# Altium PCB WT2.PcbDoc (continued)
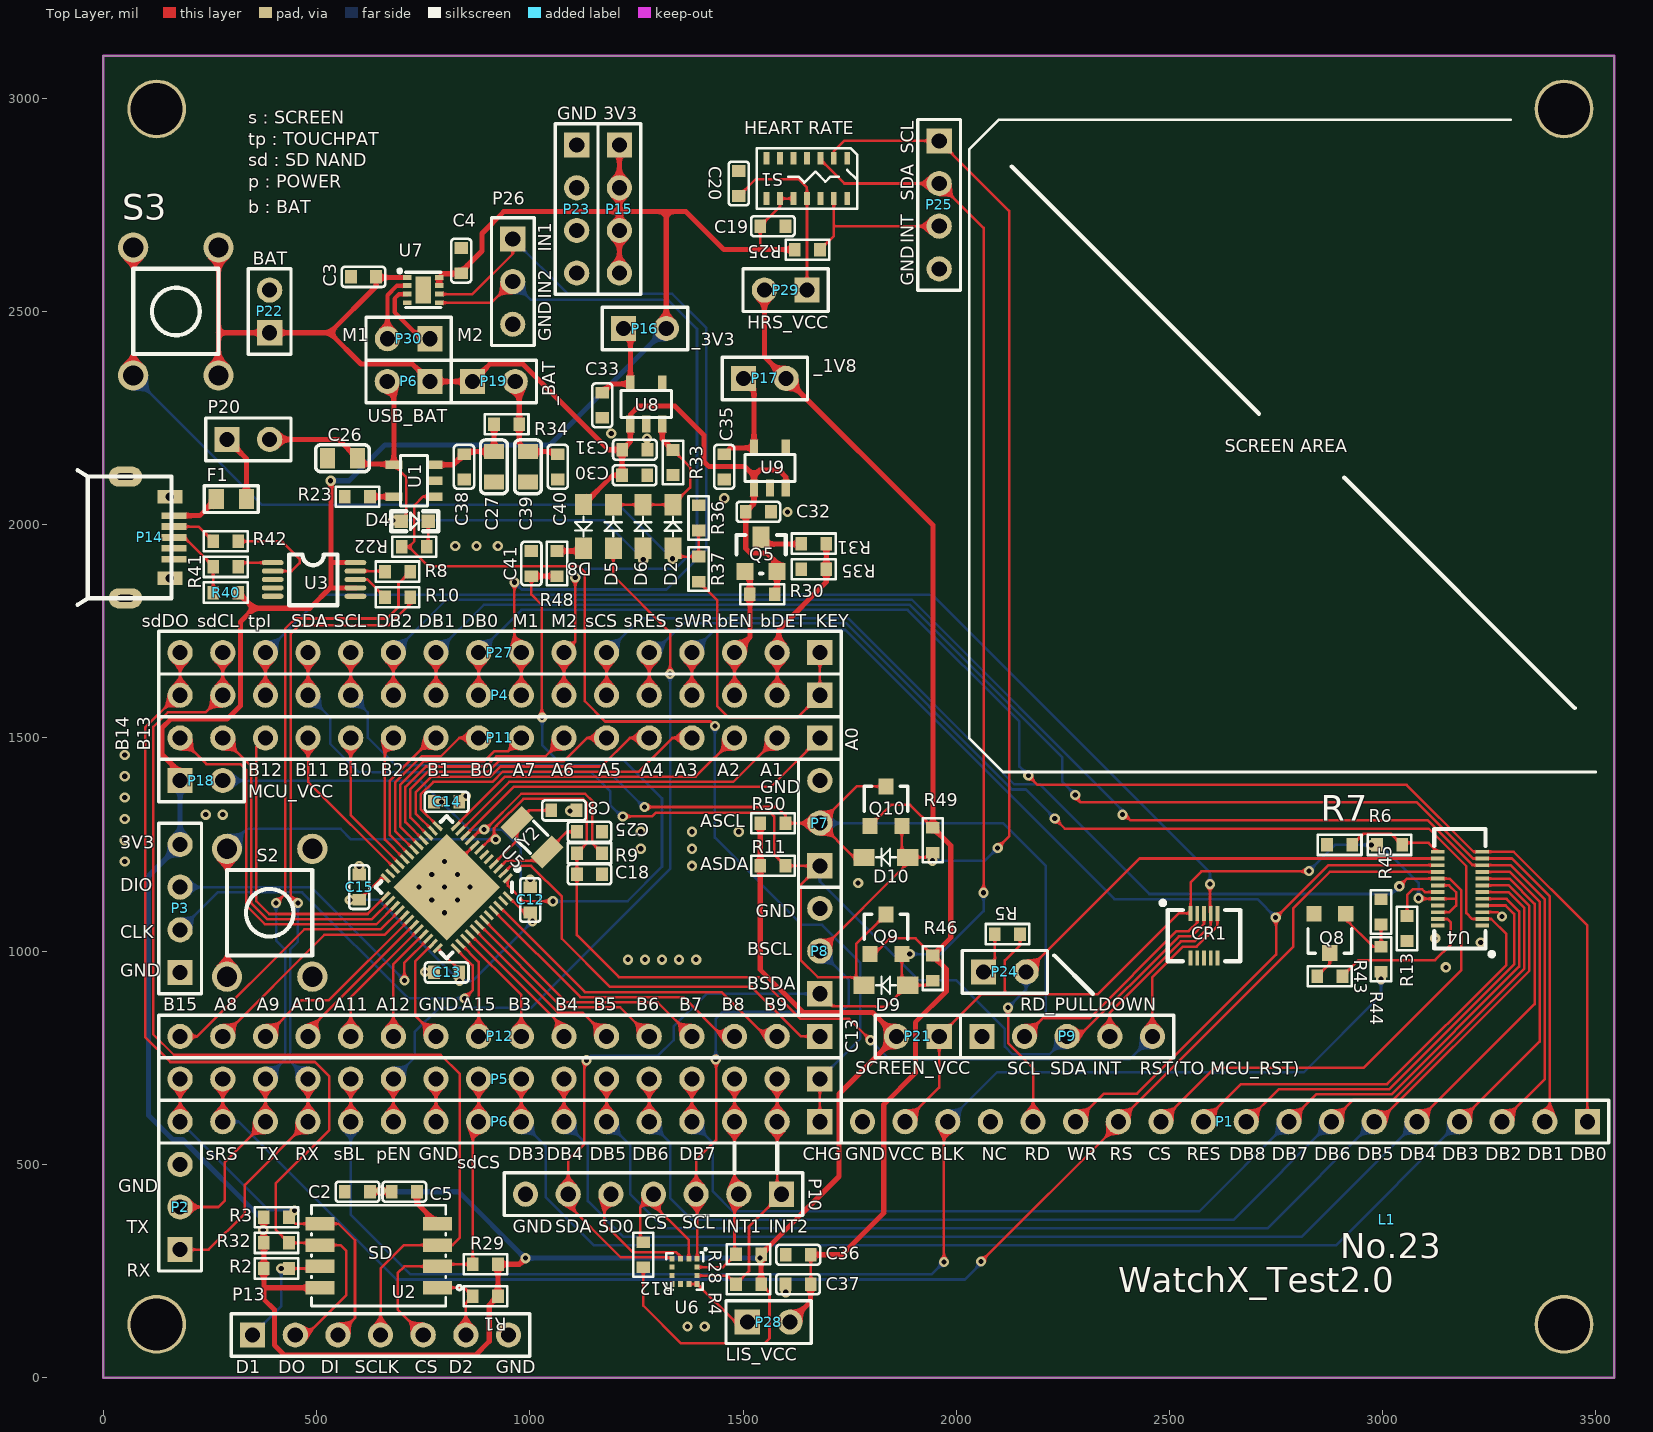
[diagram p0: Top Layer view]
## Part data
C2 C3 C4 C5 C8 C12 C13 C14 C15 C18 C19 C20 C25 C26 C27 C30 C31 C32 C33 C35 C36 C37 C38 C39 C40 C41: library part cap
CR1: library part "CONN RCPT 10P", "板对板连接器"
D2 D5 D6 D8 D9 D10: library part Diode
D4: library part LED
F1: library part "Fuse 1", "Fuse"
L1: library part LOGO_TRIGGER
P1: "Header, 18-Pin"
P2 P7 P8 P26: "Header, 3-Pin"
P3 P15 P23 P25: "Header, 4-Pin"
P4 P5 P6 P11 P12 P27: "Header, 16-Pin"
P6 P16 P17 P18 P19 P20 P21 P22 P24 P28 P29 P30: "Header, 2-Pin"
P9: "Header, 5-Pin"
P10 P13: "Header, 7-Pin"
P14: library part "MICRO USB 5PIN"
Q5: "P-Channel MOSFET"
Q8: library part Triode-NPN
Q9 Q10: library part MOSFET-N
R1 R2 R3 R4 R5 R6 R7 R8 R9 R10 R11 R12 R13 R22 R23 R25 R28 R29 R30 R31 R32 R33 R34 R35 R36 R37 R40 R41 R42 R43 R44 R45 R46 R48 R49 R50: library part Res
S1: "血氧浓度传感器"
S2 S3: "按键"
U1: "线性充电管理控制器"
U2: library part SDNAND
U4: library part TFT_IPS_8Bit_1.54_240*240
U6: "运动传感器"
U8 U9: library part LP5907, "LDO"
Y2: library part XTAL_A

## Free pads (board coordinates)
  round 137.8 hole 122.05: 2(125,2975) 3(125,125) 4(3425,125) 5(3425,2975)

## Via types
v1: diameter 24, hole 12, Top Layer to Bottom Layer, tented both sides, 94 vias
v2: diameter 24, hole 12, Top Layer to Bottom Layer, 3 vias

## Nets (pads, with @x,y where several pads share a name; then routed paths per layer and width w, separated by ;. In a path a pad name is that pad's centre, name@x,y a point inside that pad or via, vN(x,y) a via of type N, cw(c..) or ccw(c..) an arc to the next point about the centre after c; other vN are vias at no path point)
1.8V: C36.2 C37.2 P17.2 P28.2 P29.2 Q9.1 Q10.1 R46.1 R49.1 | length 3186.4
  Top Layer w6: C37.2@1659,228 C36.2 ; Q9.1 1807.74,993.74 1844,1030 1904.53,1030 R46.1 ; Q10.1 1846.86,1343 1891.53,1343 R49.1
  Top Layer w12: P29.2 1550,2394 P17.2 1945,1999 R49.1 1987,1247.53 1987,1031.53 R46.1 1977,957.53 1977,906 1904,833 1904,714 1830,640 1830,386 1732,288 C36.2 ; P28.2 1658.53,178.53 C37.2
3V3: C2.1 C4.2 C5.1 C19.2 P3.4 P15.1 P15.2 P15.3 P15.4 P16.2 P18.1 P21.2 R1.1 R2.1 R3.2 R4.2 R11.1 R12.1 R25.2 R28.2 R29.1 R32.1 R40.2 R50.1 S1.9 S1.10 U2.8 U3.7 U3.10 U7.7 U7.8 | length 9309.6
  Top Layer w6: R12.1 1266,169 1355,80 1550,80 1562,92 1562,199.53 R4.2 ; 1540.47,2645.53 C19.2 1586.77,2746.3 S1.9 S1.10
  Top Layer w12: P18.1 180,1419 137.61,1461.39 137.61,1523.61 158,1544 290,1544 321.53,1575.53 321.53,1772.13 353.4,1804 ; R40.2@321.53,1835.87 353.4,1804 ; R3.2 R32.1 R2.1 376.22,183.78 401,159 401,76 424,53 873,53 905,85 905,170.47 R1.1 R29.1 975.75,265.75 v1(990,280) ; 380,210.75 U2.8 ; v1(533,2103) 534,2102 534,1911 ; 534,1851.81 U3.7 ; U3.10 534.13,1910.87 534,1911 ; C2.1 C5.1 ; U7.7 U7.8 796.37,2588.47 C4.2@844.47,2588.47 ; C4.2@830.47,2584.47 888,2642 888,2683 939,2734 1210,2734 ; P15.4 P15.3 1210,2734 ; P15.1 P15.2 1210,2734 ; P16.2 1320,2734 ; R50.1 R11.1 1540.47,956.53 1641,856 1804,856 P21.2 1725,665 1725,471.47 R28.2 R4.2 ; R25.2 1455,2645 1366,2734 1210,2734 ; 353.4,1804 484,1804 534,1854 534,1911
  Bottom Layer w12: P18.1 P3.4 106,1176 106,615.27 162.8,558.47 185.53,558.47 375,369 v1@375,350 ; v1(533,2103) 576,2103 660,2187 1047,2187 P16.2 ; v1@651,435.75 833.25,435.75 989,280 v1(990,280) v1(1540,280) v1@1542,280
  other v1: 375,346 651,438
ASCL: CR1.2 D10.K P4.12 P7.2 P9.2 P27.12 Q10.2 R50.2 | length 3228.4
  Top Layer w6: P4.12 P27.12 ; v1(1269,1338) 1580,1338 1599.53,1318.47 R50.2 P7.2 ; D10.K 1760,1220 P7.2 ; Q10.2 1766.26,1386.26 P7.2 ; P9.2 2203,843 2313.09,843 2516.8,1046.71 2545,1046.71 2565.12,1066.83 CR1.2
  Bottom Layer w6: P4.12 620,1560 620,1501 685,1436 1169,1436 v1@1269.5,1335.5 ; P7.2 2110,1300 2210,1200 2210,850 P9.2
ASDA: CR1.3 D9.K P4.13 P7.1 P9.3 P27.13 Q9.2 R11.2 | length 3450.1
  Top Layer w6: P4.13 P27.13 ; v1(1218,1316) 1287,1316 1295.75,1324.75 1564.25,1324.75 1573,1316 1573,1226.53 R11.2 P7.1 1635,1155 1635,979 1675.18,938.82 D9.K@1765,938.82 ; D9.K D9.K@1765,938.82 ; Q9.2 1765,1016.26 D9.K@1765,938.82 ; P9.3 2287.06,800 2521.77,1034.71 2551.32,1034.71 2580.86,1064.25 CR1.3
  Bottom Layer w6: P4.13 532,1548 532,1486 599,1419 1144,1419 1189,1374 1189,1342 v1@1216.5,1314.5 ; P7.1 1680,1163 1911,932 1999.78,932 2114,817.78 2114,776 2132,758 2218,758 P9.3
BAT: C3.1 C30.2 C31.2 C32.2 D8.A P6.1@765.75,2335.75 P19.1 P22.1 Q5.3 R30.2 S3.1 U7.1 U8.1 U9.1 U9.3 | length 2891.4
  Top Layer w12: S3.1@270,2650 270,2350 270,2450 P22.1 530.97,2450 ; C3.1@637.53,2579.5 U7.1 ; C3.1 639.53,2558.56 530.97,2450 ; D8.A 1194.57,2115.75 C30.2 1216.22,2175.28 C31.2 ; R30.2 1579.88,1842.35 Q5.3 1580.63,1891.38 1580.63,1908.37 1555.37,1933.63 1516.91,1933.63 1506.47,1944.07 C32.2 1525.75,2049.28 U9.1 1525.75,2114.75 ; U9.3 1600.55,2111.45 1584,2128 1539,2128 1525.75,2114.75 ; 530.97,2450 603.97,2377 648.27,2377 648.55,2377.28 682.95,2377.28 683.22,2377 724.5,2377 765.75,2335.75 P19.1 907.28,2377.28 982.95,2377.28 1184.48,2175.75 C31.2 ; C31.2 1235.75,2194.8 U8.1 1235.75,2257.75 1256,2278 1340,2278 1408,2210 1408,2148 1420,2136 1504.5,2136 1525.75,2114.75
  Bottom Layer w12: S3.1@270,2350 S3.1@290,2350
BAT_CHG: P5.1 P6.1@1680,600 R22.1 U1.1 | length 2379.1
  Top Layer w6: R22.1 716.27,1948 ; U1.1 749.75,2065.75 729,2045 729,1960.73 716.27,1948 ; v1(1434,1528) 1423.47,1538.53 1176.47,1538.53 1129,1586 1129,1888 1115,1902 762.27,1902 716.27,1948 ; P6.1@1680,600 P5.1
  Bottom Layer w6: v1(1434,1528) 1434,1266 1638.53,1061.47 1685.53,1061.47 1775,972 1775,795 P5.1
BAT_DET: P4.2 P27.2 R31.1 R35.2 | length 403.5
  Top Layer w6: P4.2 P27.2
  Top Layer w12: P27.2 1584,1704 1584,1754.47 1695.28,1865.75 R35.2 R31.1
BAT_DET_EN: P4.3 P27.3 Q5.1 R30.1 | length 287
  Top Layer w6: P4.3 P27.3
  Top Layer w12: P27.3 1516.22,1736.22 1516.22,1805.75 Q5.1@1516.22,1871.97
BSCL: D10.A P8.2 P10.3 P25.1 Q10.3 R49.2 S1.2 U6.1 | length 3692.8
  Top Layer w6: P10.3@1375,420 1392.53,402.47 U6.1 ; P10.3 1390,510 1437,557 v1@1437,756 ; P8.2 1886.18,1206.18 D10.A ; S1.2 1712.76,2875.76 1737,2900 P25.1 2124,2736 2124,1269 v1(2097,1242) ; Q10.3 1872.4,1233.78 D10.A ; R49.2 1934.53,1220 D10.A
  Bottom Layer w6: v1(1436,746) 1436,841 1453,858 1731,858 1748,875 1748,932 P8.2 ; v1(1944,1212) 2067,1212 v1(2097,1242)
BSDA: D9.A P8.1 P10.6 P25.2 Q9.3 R46.2 S1.3 U6.4 | length 3924.4
  Top Layer w6: P10.6@1077.5,417.5 1213.25,281.75 1330.25,281.75 U6.4 ; P10.6 1090,510 1128,548 v1@1128,744 ; P8.1 1709,871 1810.21,871 1811.21,870 1836.18,870 D9.A ; S1.3 1681.26,2856.37 1737.63,2800 P25.2 2064,2696 v1(2064,1137) ; Q9.3 1872.4,933.78 D9.A ; R46.2 1934.53,920 D9.A
  Bottom Layer w6: v1(1133,744) 1144,755 1301,755 1337,791 1337,823 1414,900 P8.1 ; v1(1891,993) 1963,993 2064,1094 v1(2064,1137)
GND: C2.2 C3.2 C4.1 C5.2 C8.2 C12.1 C13.1 C14.1 C15.1 C18.1 C19.1 C20.2 C25.2 C26.1 C27.1 C30.1 C31.1 C32.1 C33.1 C35.1 C36.1 C37.1 C38.2 C39.1 C40.2 C41.2 CR1.6 CR1.7 CR1.9 CR1.10 P1.18 P2.3 P3.1 P5.10 P6.10 P7.3 P8.3 P9.1 P10.7 P12.10 P13.7 P14.0 P14.5 P22.2 P23.1 P23.2 P23.3 P23.4 P25.4 P26.3 Q8.3 R7.1 R13.1 R23.1 R33.2 R35.1 R36.2 R45.1 S1.4 S1.12 S2.1 U1.2 U2.4 U3.3 U4.1 U4.3 U4.21 U4.24 U5.0 U5.8 U5.23 U5.35 U5.44 U5.47 U6.5 U6.6 U6.7 U6.8 U7.4 U8.2 U9.2 | length 594.2
  Top Layer w6: U5.35 731,975.78 731,849 P12.10 ; P6.10 P5.10 ; U5.0@805,1183.41 U5.8 ; U4.3 3269.74,1091.26 v1(3280,1081)
  Top Layer w12: C5.2 735.28,409.01 U2.4
  other v1: 754,951 3148,962 1230,980 1270,980 1310,980 1350,980 1390,980 3230,1020 3123,1030 800,1090 770,1120 830,1120 740,1150 800,1150 860,1150 1770,1160 1001,1168 770,1180 830,1180 600,1199 1380,1200 50,1210 800,1210 1260,1240 1380,1240 50,1260 1260,1280 1380,1280 1490,1280 50,1310 240,1320 280,1320 1094,1329 50,1360 850,1364 50,1410 50,1460 825,1950 875,1950 925,1950 1604,2030 1456,2062 1275,2202
  other v2: 1370,120 1410,120 1600,200
HRS_INT: P25.3 R25.1 S1.13 | length 381.5
  Top Layer w6: R25.1 1712.76,2677.23 1712.76,2702.72 ; S1.13 1712.76,2702.72 ; P25.3 1715.47,2700 1712.76,2702.72
HRS_VCC: C20.1 P29.1 S1.11 | length 424.7
  Top Layer w6: C20.1 1529.53,2810 1630,2810 1649.76,2790.24 S1.11 1650,2764.53 P29.1
KEY1: P4.1 P27.1 R37.1 | length 682.9
  Top Layer w6: R37.1 1440,1821.97 1440,1574 1466,1548 1628,1548 P4.1 P27.1
LIS_CS: P10.4 R12.2 U6.2 | length 310.2
  Top Layer w6: R12.2 1259,324.53 1259,399 P10.4@1277.5,417.5 ; P10.4@1275,420 P10.4@1277.5,417.5 ; P10.4 P10.4@1277.5,417.5 ; U6.2 1372.84,322.16 P10.4@1277.5,417.5
LIS_INT1: P5.3 P6.3 P10.2 R28.1 U6.12 | length 495.9
  Top Layer w6: U6.12 1453.31,258.84 R28.1 1480,292.47 P10.2@1480,420 ; P10.2@1480,440 P6.3 P5.3
LIS_INT2: P5.2 P6.2@1580,600 P10.1 R4.1 U6.11 | length 600.3
  Top Layer w6: U6.11 1463.32,239.15 R4.1 1514,249.53 1514,354 P10.1@1580,420 ; P10.1@1580,440 1580,600 P5.2
LIS_SD0: P10.5 U6.3 | length 275.1
  Top Layer w6: P10.5@1175,420 1175,360 1240.97,294.03 1343.1,294.03 1353.16,283.97 U6.3
LIS_VCC: P28.1 U6.9 U6.10 | length 174.2
  Top Layer w6: U6.9 U6.10 1482,130 P28.1
M1-IN1: P4.8 P26.1 P27.8 U7.6 | length 2073.9
  Top Layer w6: U7.6 841.5,2540.5 865.5,2540.5 960,2635 P26.1 ; v1(964,1865) 964,1716 P27.8 P4.8
  Bottom Layer w6: P26.1 1089,2541 1334,2541 1414,2461 1414,1942 1320,1848 981,1848 v1(964,1865)
M1-IN2: P4.7 P26.2 P27.7 U7.5 | length 1784.8
  Top Layer w6: U7.5 886.5,2520.5 910.5,2520.5 P26.2 ; P4.7 P27.7 1106.5,1726.5 v1(1106.5,1876)
  Bottom Layer w6: P26.2 1003,2527 1324,2527 1392,2459 1392,1947.3 1341.7,1897 1132,1897 1111,1876 v1(1106.5,1876)
MCU_RX: P2.1 P5.13 P6.13 R10.1 | length 1964.6
  Top Layer w6: P2.1 247,300 332,385 332,452 P6.13 P5.13 ; v1(456,1113) 439,1130 439,1744 459,1764 669,1764 719.53,1814.53 R10.1
  Bottom Layer w6: v1(456,1113) 456,1022 438,1004 438,742 P5.13
MCU_TX: P2.2 P5.14 P6.14 R8.1 | length 1914.5
  Top Layer w6: P2.2@175,400 270,400 285,415 285,505 P6.14 P5.14 ; v1(405,1113) 426,1134 426,1756 450,1780 665,1780 692,1807 692,1862.47 R8.1
  Bottom Layer w6: P5.14 426,746 426,1003.75 405,1024.75 v1(405,1113)
MCU_VCC: C12.2 C13.2 C14.2 C15.2 P18.2 R9.2 U5.9 U5.24 U5.36 U5.48 | length 2211.7
  Top Layer w6: C15.2 650.41,1170.88 U5.24 ; U5.36 834.53,956.22 C13.2 ; U5.9 884.32,1285 v1(893,1285) 895.87,1285 979.87,1369 1129.75,1369 1147,1351.75 1146.75,1351.5 1146.75,1252.78 R9.2 ; U5.48 987.02,1090.47 C12.2
  Bottom Layer w6: P18.2 743,1400 v1(793,1350) 858,1285 v1(893,1285) 935,1285 979,1241 979,1097 v1(1006,1070) 866,930 v1(835,930) 645,1120 v1(578,1120)
NetC27_2: C27.2 C38.1 R34.2 U1.3 | length 217.4
  Top Layer w12: U1.3 821.02,2140.55 C38.1 851.65,2171.18 C27.2 916.22,2171.65 R34.2
NetC33_2: C33.2 P16.1 U8.5 | length 210.6
  Top Layer w12: C33.2 1190.71,2330.24 U8.5 1235.75,2444.25 P16.1
NetC35_2: C35.2 P17.1 U9.5 | length 249.2
  Top Layer w12: C35.2 1470.71,2180.24 U9.5 1525.75,2318.25 P17.1
NetC39_2: C39.2 C40.1 P19.2 R34.1 | length 249.4
  Top Layer w12: P19.2 975.28,2326.22 R34.1 975.28,2191.65 C39.2 1059.84,2171.18 C40.1
NetD2_A: D2.A R36.1 R37.2 S3.2 | length 1873.1
  Top Layer w6: S3.2@70,2350 S3.2@70,2650 ; D2.A 1355.04,1925.28 R37.2 R36.1
  Bottom Layer w6: S3.2@70,2350 70,2348.22 371.22,2047 1208,2047 v1(1335,1920)
NetD2_K: D2.K D5.K D6.K R33.1 U8.3 | length 372.6
  Top Layer w6: D5.K D6.K D2.K 1376,2087.18 1376,2135.02 R33.1
  Top Layer w12: U8.3 1310.55,2200.47 R33.1
NetD4_K: D4.K R22.2 | length 61.2
  Top Layer w6: R22.2 761.5,1950.97 D4.K
NetD8_K: D8.K R48.2 | length 70.7
  Top Layer w12: R48.2 1132.09,1938.28 D8.K@1133.75,1939.93
NetF1_1: F1.1 P14.1 | length 114.7
  Top Layer w12: P14.1 225.75,2021.18 F1.1
NetF1_2: F1.2 P20.1 | length 158.8
  Top Layer w12: P20.1 335.43,2154.57 F1.2
NetP14_2: P14.2 R42.1 | length 106
  Top Layer w6: P14.2 222.76,1995.59 R42.1
NetP14_3: P14.3 R40.1 R41.1 | length 181.4
  Top Layer w6: P14.3 190.44,1970 257.48,1902.96 R41.1 R40.1
NetP24_1: P24.1 R5.1 | length 99.6
  Top Layer w6: P24.1 2090.47,977.98 R5.1
NetP30_1: P30.1 U7.3 | length 173.1
  Top Layer w10: U7.3 693.5,2540.5 683,2530 683,2498 744.25,2436.75 P30.1@764.75,2436.75
NetP30_2: P30.2 U7.2 | length 157.9
  Top Layer w10: P30.2 666,2538 688.5,2560.5 U7.2
NetQ5_2: Q5.2 R31.2 | length 80.6
  Top Layer w12: Q5.2@1555.63,1954.37 R31.2@1636.22,1954.37
NetQ8_1: Q8.1 R44.2 R45.2 | length 174.3
  Top Layer w6: Q8.1 2913.27,1074.45 2977.19,1010.53 R44.2 R45.2
NetQ8_2: Q8.2 R43.1 | length 66
  Top Layer w6: R43.1 2875.87,970.91 Q8.2
NetR8_2: R8.2 U3.9 | length 70
  Top Layer w6: U3.9 659.29,1891.18 R8.2
NetR10_2: R10.2 U3.8 | length 86.7
  Top Layer w6: U3.8 618.98,1871.5 R10.2
NetR13_2: R13.2 U4.19 | length 129.2
  Top Layer w6: R13.2 3057,1132 3070,1145 3092.7,1145 3099.2,1138.5 U4.19
NetR23_2: R23.2 U1.5 | length 56
  Top Layer w12: R23.2 U1.5
OSC32_IN: C25.1 U5.3 Y2.1 | length 220.3
  Top Layer w6: U5.3 944.95,1212 1019.6,1212 Y2.1 1087.6,1280 C25.1
OSC32_OUT: C8.1 U5.4 Y2.2 | length 212.3
  Top Layer w6: U5.4 970.2,1259.52 Y2.2 998.4,1330 C8.1
OSC_IN: U5.5
OSC_OUT: U5.6
PA0: P11.1 U5.10 | length 926.7
  Top Layer w6: U5.10 962.05,1385 1565,1385 P11.1
PA1: P11.2 U5.11 | length 833.2
  Top Layer w6: U5.11 951.78,1397 1477,1397 P11.2
PA2: P11.3 U5.12 | length 739.7
  Top Layer w6: U5.12 941.51,1409 1389,1409 P11.3
PA3: P11.4 U5.13 | length 781.4
  Top Layer w6: U5.13 744,1333.49 744,1367.1 773.9,1397 912.54,1397 936.54,1421 1255.49,1421 1334.49,1500 P11.4
PA4: P11.5 U5.14 | length 707.8
  Top Layer w6: U5.14 732,1323.22 732,1372.07 768.93,1409 907.57,1409 931.57,1433 1167.49,1433 1234.49,1500 P11.5
PA5: P11.6 U5.15 | length 635.9
  Top Layer w6: U5.15 720,1312.95 720,1380 761,1421 902.6,1421 926.6,1445 1079.49,1445 1134.49,1500 P11.6
PA6: P11.7 U5.16 | length 562.3
  Top Layer w6: U5.16 708,1302.68 708,1384.97 756.03,1433 897.63,1433 921.63,1457 1037,1457 P11.7
PA7: P11.8 U5.17 | length 488.8
  Top Layer w6: U5.17 696,1292.41 696,1389.94 751.06,1445 892.66,1445 916.66,1469 949,1469 P11.8
PA8: P12.15 U5.29 | length 544
  Top Layer w6: P12.15 518,1038 659.59,1038 U5.29
PA9: P12.14 U5.30 | length 450.6
  Top Layer w6: P12.14 465,885 528.86,885 U5.30
PA10: P12.13 U5.31 | length 365.2
  Top Layer w6: P12.13 480,813.86 U5.31
PA11: P12.12 U5.32 | length 317.3
  Top Layer w6: P12.12 580,891.59 U5.32
PA12: P12.11 U5.33 | length 269.3
  Top Layer w6: P12.11 680,969.32 U5.33
PA15: P12.9 U5.38 | length 235.6
  Top Layer w6: U5.38 880,974.78 P12.9
PB0: P11.9 U5.18 | length 415.2
  Top Layer w6: U5.18 684,1282.14 684,1394.91 746.09,1457 791.49,1457 834.49,1500 P11.9
PB1: P11.10 U5.19 | length 341.6
  Top Layer w6: U5.19 672,1271.86 672,1399.88 772.12,1500 P11.10
PB2: P11.11 U5.20 | length 312
  Top Layer w6: P11.11 660,1480 660,1261.59 U5.20
PB3: P12.8 U5.39 | length 283.5
  Top Layer w6: U5.39 980,897.05 P12.8
PB4: P12.7 U5.40 | length 331.5
  Top Layer w6: U5.40 1080,819.32 P12.7
PB5: P12.6 U5.41 | length 413.6
  Top Layer w6: U5.41 1065.59,856 1124,856 P12.6
PB6: P12.5 U5.42 | length 507.1
  Top Layer w6: U5.42 1075.86,868 1212,868 P12.5
PB7: P12.4 U5.43 | length 600.6
  Top Layer w6: U5.43 1086.14,880 1300,880 P12.4
PB8: P12.3 U5.45 | length 687.5
  Top Layer w6: U5.45 1118.68,892 1360,892 1452,800 P12.3
PB9: P12.2 U5.46 | length 781
  Top Layer w6: U5.46 1128.95,904 1450,904 1554,800 P12.2
PB10: P11.12 U5.21 | length 343.4
  Top Layer w6: P11.12 580,1319.32 U5.21
PB11: P11.13 U5.22 | length 391.3
  Top Layer w6: P11.13 480,1397.05 U5.22
PB12: P11.14 U5.25 | length 724.2
  Top Layer w6: P11.14 359,1479 359,1117 389,1087 619.51,1087 U5.25
PB13: P11.15 U5.26 | length 774.6
  Top Layer w6: P11.15 347,1433 347,1112.03 384.03,1075 629.78,1075 U5.26
PB14: P11.16 U5.27 | length 889.3
  Top Layer w6: P11.16 241.47,1438.53 321.47,1438.53 335,1425 335,1107.06 379.06,1063 640.05,1063 U5.27
PB15: P12.16 U5.28 | length 637.5
  Top Layer w6: P12.16 220,800 471,1051 650.32,1051 U5.28
PC13: P12.1 U5.2 | length 973.9
  Top Layer w6: U5.2 955.22,1200 1003,1200 1075,1128 1075,1029 1188,916 1520,916 1636,800 P12.1
POWER_EN: D5.A P5.11 P6.11 | length 1795.1
  Top Layer w6: P6.11 P5.11 ; D5.A 1195.75,1880.25 1329,1747 v1(1329,1650)
  Bottom Layer w6: P5.11 730,750 730,810 787,867 1003,867 1329,1193 v1(1329,1650)
RST: C18.2 CR1.5 P9.5 R9.1 S2.2 U5.7 | length 3457.9
  Top Layer w6: S2.2@290,940 S2.2@290,1240 ; U5.7 916,1272.14 916,1288 922.23,1294.23 922.23,1294.39 984.84,1357 1124.78,1357 1134,1347.78 1134,1253.53 R9.1 C18.2 1110.47,1037.53 1209,939 1536.79,939 1634.79,841 1749,841 v1(1799,791) ; P9.5 2460,939 2531.71,1010.71 2563.71,1010.71 2612.36,1059.36 CR1.5
  Bottom Layer w6: S2.2@290,1240 337,1287 556,1287 581,1262 v1(920,1262) ; v1(1799,791) 1844,746 2406,746 P9.5
SCREEN_VCC: CR1.1 P1.17 P21.1 R5.2 R6.2 U4.18 U4.20 U4.22 | length 2038.6
  Top Layer w6: P1.17 1960,680 P21.1 2059,899 2114,899 ; R5.2 2149.53,1013.53 2114,978 2114,899 ; v1@2832,1187 2575,1187 2549.37,1161.37 CR1.1 2521.54,1088.54 2332,899 2114,899 ; v1(3084,1124) 3085.25,1122.75 U4.20 3171.25,1122.75 3172,1122 ; U4.22 3156.26,1091.26 3172,1107 3172,1122 ; U4.18 3155.78,1154.25 3172,1138.03 3172,1122
  Bottom Layer w6: v1(2827,1188) 2888,1249 v1(2973,1249) 2995,1249 3084,1160 v1(3084,1124)
SD_CS: P5.9 P6.9 P13.5 R29.2 U2.2 | length 787.6
  Top Layer w6: P13.5 690,160 690,245 705.75,260.75 U2.2 ; U2.2@788.54,265.75 R29.2 866.22,586.22 P6.9 P5.9
SD_DI: P5.16 P6.16 P13.3 R3.1 U2.5 | length 869.7
  Top Layer w6: P6.16 P5.16 ; R3.1 450.28,360.75 U2.5 551.25,360.75 590,322 590,140 P13.3
  Bottom Layer w6: P6.16 388,392 v1(448,392)
SD_DO: P4.16 P13.2 P27.16 R32.2 U2.6 | length 2235.7
  Top Layer w6: P27.16 P4.16 174.03,1600 98,1523.97 98,799 157,740 496,740 530,706 530,581 404,455 404,347.02 R32.2 U2.6@502.95,315.75 ; P13.2@476,100 570,194 570,297 556.25,310.75 U2.6
SD_SCLK: P4.15 P13.4 P27.15 U2.3 | length 2528
  Top Layer w6: P27.15 P4.15 240,1560 151,1560 117,1526 117,805 165,757 791,757 836,712 836,328 818.75,310.75 U2.3 704.75,310.75 650,256 P13.4
SD_SDD1: P13.1 R2.2 U2.7 | length 251.4
  Top Layer w6: R2.2 U2.7@502.95,255.75
  Bottom Layer w6: P13.1 417,167 v1(417,256)
SD_SDD2: P13.6 R1.2 U2.1 | length 188.4
  Top Layer w6: U2.1 846.22,210.75 R1.2 850,174.53 P13.6
SWCLK: P3.2 U5.37 | length 948.7
  Top Layer w6: U5.37 866,966.51 866,908 v1(847,889)
  Bottom Layer w6: P3.2 268,1138 466,1138 715,889 v1(847,889)
SWDIO: P3.3 U5.34 | length 737.7
  Top Layer w6: v1(706,931) 706,973.05 U5.34
  Bottom Layer w6: P3.3 487,1150 v1(706,931)
TFT_BLK: P1.16 P5.12 P6.12 R44.1 | length 3287.8
  Top Layer w6: P6.12 P5.12 ; v1(1971,271) 1971,591 P1.16
  Bottom Layer w6: P6.12 580,381.97 719.97,242 1942,242 v1(1971,271) ; P1.16 2096,716 2815,716 2996,897 v1(2996,934)
TFT_CS: P1.11 P4.6 P27.6 U4.17 | length 3470.7
  Top Layer w6: P4.6 P27.6 ; P1.11 2607,727 2956,727 3184,955 3184,1143 3157,1170 U4.17 3057,1170 v1(3039,1152)
  Bottom Layer w6: P27.6 1261,1781 1746,1781 2136,1391 2196,1391 2453,1134 3021,1134 v1(3039,1152)
TFT_DB0: P1.1 P4.9 P27.9 U4.12 | length 3569.5
  Top Layer w6: P4.9 P27.9 ; v1(2169,1412) 2191,1390 3055.94,1390 3212.95,1232.99 U4.12 3307.01,1232.99 3480,1060 P1.1
  Bottom Layer w6: P27.9 980,1800 1886.06,1800 2148,1538.06 2148,1433 v1(2169,1412)
TFT_DB1: P1.2 P4.10 P27.10 U4.11 | length 3613
  Top Layer w6: P4.10 P27.10 ; v1(2279,1366) 2279,1361 2291,1349 3079.97,1349 3211.73,1217.24 U4.11 3302.76,1217.24 3392,1128 3392,612 P1.2
  Bottom Layer w6: P27.10 892,1812 1891.03,1812 2249,1454.03 2249,1397 2280,1366 v1(2279,1366)
TFT_DB2: P1.3 P4.11 P27.11 U4.10 | length 3720.9
  Top Layer w6: P4.11 P27.11 ; v1(2390,1320) 2395,1320 2408,1307 3105,1307 3210.51,1201.49 U4.10 3299.42,1201.49 3380,1120.91 3380,700 P1.3
  Bottom Layer w6: P27.11 804,1824 1896,1824 2398,1322 2396,1320 v1(2390,1320)
TFT_DB3: P1.4 P5.8 P6.8 U4.9 | length 3368.2
  Top Layer w6: P6.8 P5.8 ; P1.4 3368,788 3368,1115.94 3298.2,1185.74 U4.9
  Bottom Layer w6: P6.8 1037,543 1037,423 1150,310 2890,310 P1.4
TFT_DB4: P1.5 P5.7 P6.7 U4.8 | length 3172.5
  Top Layer w6: P6.7 P5.7 ; P1.5 3356,876 3356,1110.97 3296.97,1170 U4.8
  Bottom Layer w6: P6.7 1136,544 1136,414 1220,330 2810,330 P1.5
TFT_DB5: P1.6 P5.6 P6.6 U4.7 | length 2967.8
  Top Layer w6: P6.6 P5.6 ; P1.6 2990,600 3344,954 3344,1106 3295.75,1154.25 U4.7
  Bottom Layer w6: P6.6 1235,545 1235,430.51 1315.51,350 2730,350 P1.6
TFT_DB6: P1.7 P5.5 P6.5 U4.6 | length 2823.9
  Top Layer w6: P6.5 P5.5 ; P1.7 2932,652 3025.03,652 3332,958.97 3332,1101.03 3294.53,1138.5 U4.6
  Bottom Layer w6: P6.5 1329,551 1329,421 1380,370 2650,370 P1.7
TFT_DB7: P1.8 P5.4 P6.4 U4.5 | length 2660.1
  Top Layer w6: P6.4 P5.4 ; P1.8 2844,664 3020.06,664 3320,963.94 3320,1093 3290.25,1122.75 U4.5
  Bottom Layer w6: P6.4 1428.53,551.47 1428.53,436.99 1475.51,390 2570,390 P1.8
TFT_DB8: P1.9 U4.4 | length 982.2
  Top Layer w6: P1.9 2756,676 3015.09,676 3308,968.91 3308,1087 3288,1107 U4.4
TFT_IM: R6.1 R7.2 U4.13 | length 228.9
  Top Layer w6: R7.2 2954.53,1275 3019.53,1275 R6.1 ; R6.1@3047,1254 3107.69,1254 U4.13
TFT_LEDK: R43.2 U4.23 | length 371.3
  Top Layer w6: R43.2 2943.02,979 3123,979 3160,1016 3160,1067 3151.49,1075.51 U4.23
TFT_RD: P1.14 P24.2 U4.14 | length 1468.1
  Top Layer w6: v1(2121.47,867.47) 2121.47,784.04 2180,725.51 P1.14 ; P24.2 2429.73,1217.24 U4.14
  Bottom Layer w6: v1(2121.47,867.47) 2163.87,909.87 P24.2
TFT_RES: P1.10 P4.5 P27.5 U4.2 | length 3439.5
  Top Layer w6: P4.5 P27.5 ; v1(2231,1311) 2255,1287 3108.03,1287 3196,1199.03 3196,1089 3209.49,1075.51 U4.2 3254.49,1075.51 3290,1040 3290,967.88 3010.12,688 2668,688 P1.10
  Bottom Layer w6: P27.5 1291,1700 1360,1769 1741.03,1769 2131.03,1379 2163,1379 v1(2231,1311)
TFT_RS: P1.12 P5.15 P6.15 U4.16 | length 3556.4
  Top Layer w6: P6.15 P5.15 ; v1(2058,272) 2380,594 P1.12 2790,1010 2790,1100 2875.74,1185.74 U4.16
  Bottom Layer w6: P6.15 317,600 687,230 2020,230 2058,268 v1(2058,272)
TFT_WR: P1.13 P4.4 P27.4 U4.15 | length 2918.9
  Top Layer w6: P4.4 P27.4 ; P1.13 2346,666 2424,666 2750,992 2750,1079 2872.49,1201.49 U4.15
  Bottom Layer w6: P27.4 1433,1753 1740.06,1753 2371.06,1122 2706,1122 v1(2749,1079)
TP_EINT: CR1.4 P4.14 P9.4 P27.14 | length 3139.4
  Top Layer w6: P4.14 P27.14 ; P9.4 2360,855.97 2526.74,1022.71 2558.71,1022.71 2596.61,1060.61 CR1.4 ; CR1.4@2595,1091.37 v1(2595,1157)
  Bottom Layer w6: P27.14 516,1836 1943.23,1836 2595,1184.23 v1(2595,1157)
USB_D+: R41.2 U3.1 | length 84.6
  Top Layer w6: R41.2 326.54,1910.87 U3.1
USB_D-: R42.2 U3.2 | length 241.2
  Top Layer w6: R42.2 419.13,1960.87 460,1920 460,1910 441.18,1891.18 U3.2
USB_VCC: C26.2 D4.A D6.A P6.2@665.75,2335.75 P20.2 U1.4 | length 1289.7
  Top Layer w6: U1.4 709.94,2111.87 709.94,2019.44 D4.A
  Top Layer w12: P20.2 551.93,2200 C26.2 609.93,2142 U1.4@679.81,2142 ; P6.2@665.75,2335.75 681.26,2320.24 U1.4
  Bottom Layer w6: v1(679,2010) 1174,2010 v1(1266,1918)
VBAT: C41.1 R48.1 U5.1 | length 1386.6
  Top Layer w6: U5.1 948.37,1153.63 985,1117 v1(1054,1117) ; C41.1 1003.75,1836.25 1028,1812 v1@1028,1548
  Top Layer w12: C41.1 R48.1
  Bottom Layer w6: v1(1029,1548) 1029,1483 1064,1448 1220,1448 1310,1358 1310,1198 1229,1117 v1(1054,1117)
pads on no net: CR1.8 P1.15 P14.4 S1.1 S1.5 S1.6 S1.7 S1.8 S1.14 U3.4 U3.5 U3.6 U7.9 U8.4 U9.4
copper on no net:
  other v1: 1191,2214

## Polygon pours and split planes (outlines as drawn)
GND on Bottom Layer "GND" (solid, remove dead copper, shelved, pour order 0): 0,3100 3543.31,3100 3543.31,0 0,0
GND on Top Layer "GND" (solid, remove dead copper, shelved, pour order 2): 0,3100 3543.31,3100 3543.31,0 0,0

## Keep-outs
Keep-Out Layer:
  the board outline again, w6

## Silkscreen, mask and mechanical layers (free items; w line width, h text height)
Top Overlay:
  lines w6: 3300,2950 2100,2950 2030,2880 2030,1500 2110,1420 3500,1420
  lines w10: 1480,480 1480,550 ; 1580,480 1580,550 ; 2130,2840 2710,2260 ; 2230,990 2320,900 ; 2910,2110 3450,1570
  text "GND" at 1064,2949 h30
  text "3V3" at 1172,2949 h30
  text "s : SCREEN" at 340,2940 h30
  text "HEART RATE" at 1503,2916 h30
  text "tp : TOUCHPAT" at 340,2890 h30
  text "SCL" at 1900,2870 h30 r90
  text "sd : SD NAND" at 340,2840 h30
  text "p : POWER" at 340,2790 h30
  text "SDA" at 1900,2760 h30 r90
  text "b : BAT" at 340,2730 h30
  text "INT" at 1900,2660 h30 r90
  text "IN1" at 1050,2640 h30 r90
  text "BAT" at 350,2610 h30
  text "GND" at 1900,2560 h30 r90
  text "IN2" at 1050,2530 h30 r90
  text "HRS_VCC" at 1510,2460 h30
  text "M1" at 560,2430 h30
  text "M2" at 830,2430 h30
  text "GND" at 1050,2430 h30 r90
  text "_3V3" at 1380,2420 h30
  text "_1V8" at 1666,2358 h30
  text "_BAT" at 1060,2280 h30 r90
  text "USB_BAT" at 620,2240 h30
  text "SCREEN AREA" at 2630,2170 h30
  text "sdDO" at 90,1760 h30
  text "sdCL" at 220,1760 h30
  text "tpI" at 340,1760 h30
  text "SDA" at 440,1760 h30
  text "SCL" at 540,1760 h30
  text "DB2" at 640,1760 h30
  text "DB1" at 740,1760 h30
  text "DB0" at 840,1760 h30
  text "M1" at 960,1760 h30
  text "M2" at 1050,1760 h30
  text "sCS" at 1130,1760 h30
  text "sRES" at 1220,1760 h30
  text "sWR" at 1340,1760 h30
  text "bEN" at 1440,1760 h30
  text "bDET" at 1540,1760 h30
  text "KEY" at 1670,1760 h30
  text "B14" at 60,1470 h30 r90
  text "B13" at 110,1470 h30 r90
  text "A0" at 1770,1470 h30 r90
  text "B12" at 340,1410 h30
  text "B11" at 450,1410 h30
  text "B10" at 550,1410 h30
  text "B2" at 650,1410 h30
  text "B1" at 760,1410 h30
  text "B0" at 860,1410 h30
  text "A7" at 960,1410 h30
  text "A6" at 1050,1410 h30
  text "A5" at 1160,1410 h30
  text "A4" at 1260,1410 h30
  text "A3" at 1340,1410 h30
  text "A2" at 1440,1410 h30
  text "A1" at 1540,1410 h30
  text "GND" at 1540,1370 h30
  text "MCU_VCC" at 340,1360 h30
  text "ASCL" at 1400,1290 h30
  text "3V3" at 40,1240 h30
  text "ASDA" at 1400,1190 h30
  text "DIO" at 40,1140 h30
  text "GND" at 1530,1080 h30
  text "CLK" at 40,1030 h30
  text "BSCL" at 1510,990 h30
  text "GND" at 40,940 h30
  text "BSDA" at 1510,910 h30
  text "B15" at 140,860 h30
  text "A8" at 260,860 h30
  text "A9" at 360,860 h30
  text "A10" at 440,860 h30
  text "A11" at 540,860 h30
  text "A12" at 640,860 h30
  text "GND" at 740,860 h30
  text "A15" at 840,860 h30
  text "B3" at 950,860 h30
  text "B4" at 1060,860 h30
  text "B5" at 1150,860 h30
  text "B6" at 1250,860 h30
  text "B7" at 1350,860 h30
  text "B8" at 1450,860 h30
  text "B9" at 1550,860 h30
  text "RD_PULLDOWN" at 2150,860 h30
  text "C13" at 1770,760 h30 r90
  text "SCREEN_VCC" at 1763,711 h30
  text "SCL" at 2120,710 h30
  text "SDA" at 2220,710 h30
  text "INT" at 2320,710 h30
  text "RST(TO MCU_RST)" at 2430,710 h30
  text "sRS" at 240,510 h30
  text "TX" at 360,510 h30
  text "RX" at 450,510 h30
  text "sBL" at 540,510 h30
  text "pEN" at 640,510 h30
  text "GND" at 740,510 h30
  text "DB3" at 950,510 h30
  text "DB4" at 1040,510 h30
  text "DB5" at 1140,510 h30
  text "DB6" at 1240,510 h30
  text "DB7" at 1350,510 h30
  text "CHG" at 1640,510 h30
  text "GND" at 1740,510 h30
  text "VCC" at 1840,510 h30
  text "BLK" at 1940,510 h30
  text "NC" at 2060,510 h30
  text "RD" at 2160,510 h30
  text "WR" at 2260,510 h30
  text "RS" at 2360,510 h30
  text "CS" at 2450,510 h30
  text "RES" at 2540,510 h30
  text "DB8" at 2640,510 h30
  text "DB7" at 2740,510 h30
  text "DB6" at 2840,510 h30
  text "DB5" at 2940,510 h30
  text "DB4" at 3040,510 h30
  text "DB3" at 3140,510 h30
  text "DB2" at 3240,510 h30
  text "DB1" at 3340,510 h30
  text "DB0" at 3440,510 h30
  text "sdCS" at 830,490 h30
  text "GND" at 35,435 h30
  text "SCL" at 1357,349 h30
  text "CS" at 1268,348 h30
  text "GND" at 960,340 h30
  text "SDA" at 1060,340 h30
  text "SD0" at 1160,340 h30
  text "INT1" at 1450,340 h30
  text "INT2" at 1560,340 h30
  text "TX" at 55,338 h30
  text "SD" at 621,277 h30
  text "No.23" at 2900,260 h100
  text "RX" at 55,237 h30
  text "WatchX_Test2.0" at 2380,180 h100
  text "LIS_VCC" at 1460,40 h30
  text "D1" at 310,10 h30
  text "DO" at 410,10 h30
  text "DI" at 510,10 h30
  text "SCLK" at 590,10 h30
  text "CS" at 730,10 h30
  text "D2" at 810,10 h30
  text "GND" at 920,10 h30
Mechanical 1:
  the board outline again, w6